# Altium PCB FX_PCB.PcbDoc (part 6 of 7)
Units mil, origin at the board's own origin, x right, y up, seen from the top; angles counter-clockwise.
Board outline 5533 x 3907 mil, 2 copper layers (Top Layer, Bottom Layer); 117 components, 100 nets, 439 pads, 176 vias.
Unrouted connection lines stored in the file: 106.
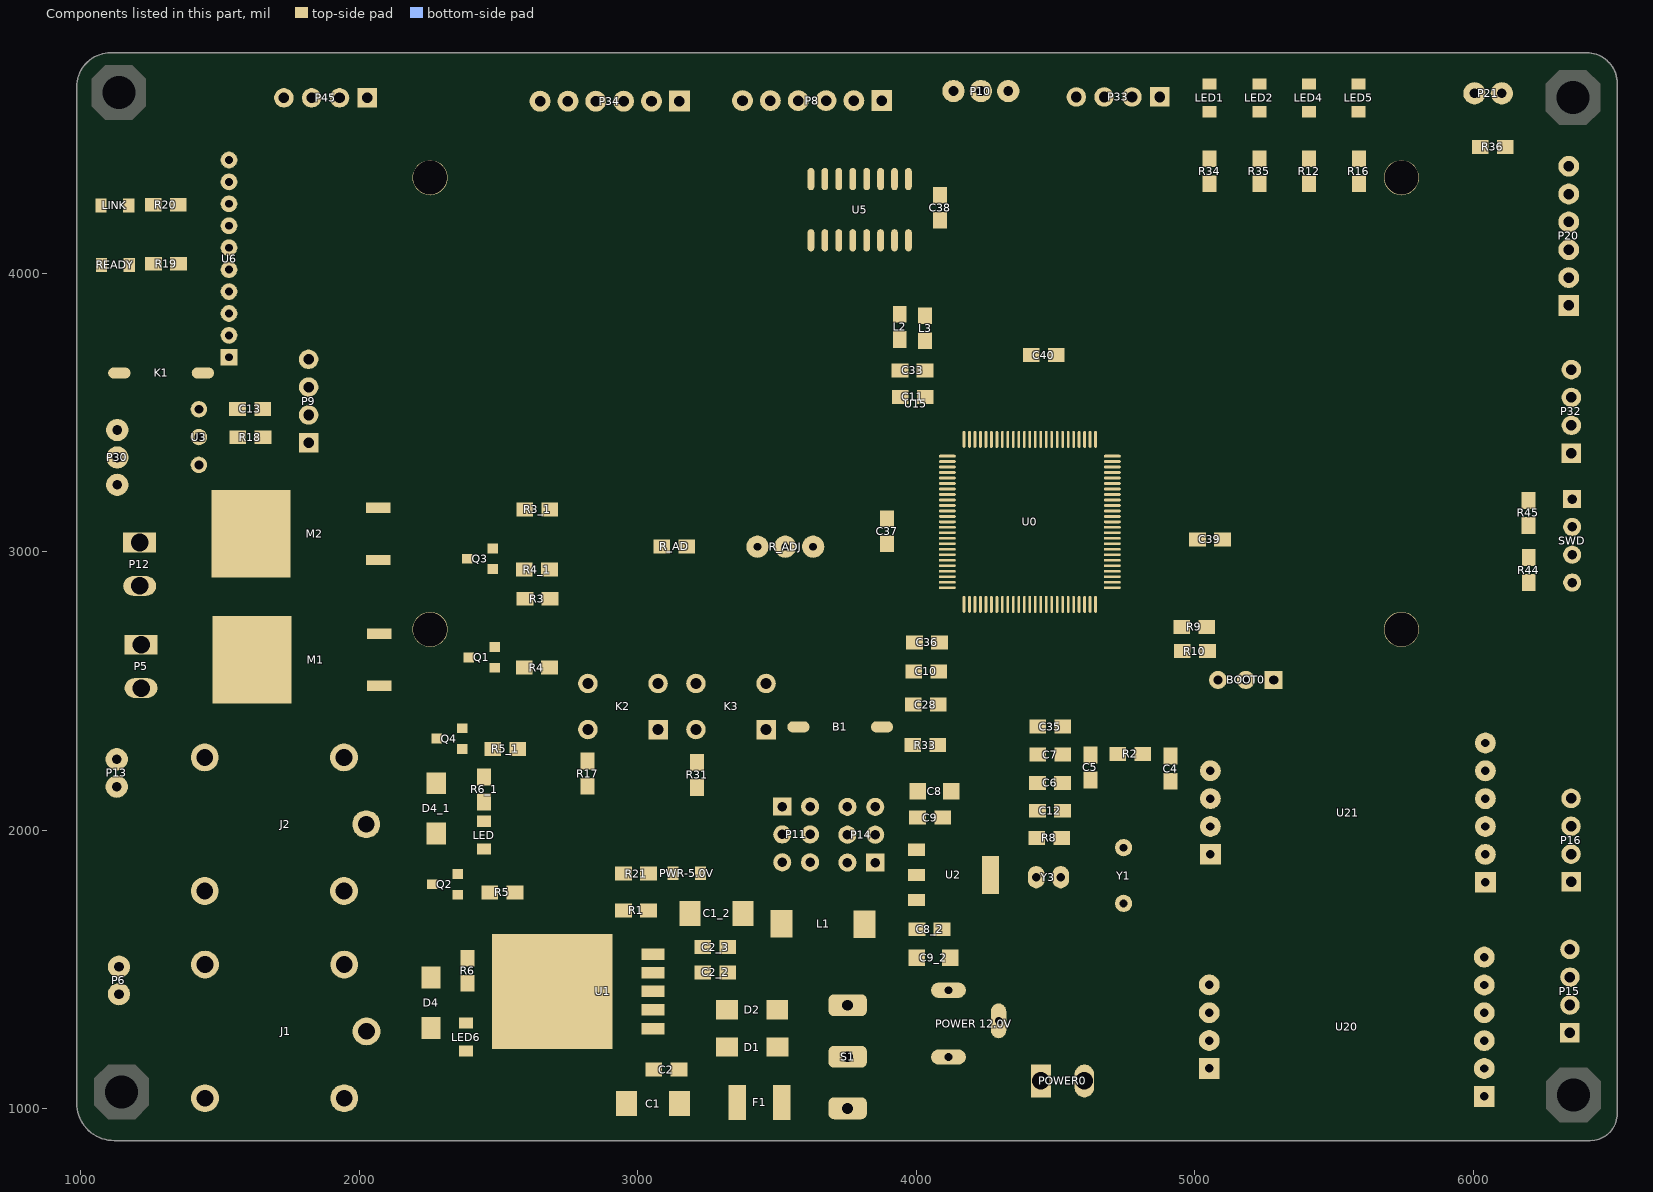
[diagram p6: the components of this part, seen from the top]

## Via types
v1: diameter 30, hole 15, Top Layer to Bottom Layer, 104 vias
v2: diameter 40, hole 18, Top Layer to Bottom Layer, 62 vias
v3: diameter 50, hole 28, Top Layer to Bottom Layer, 7 vias
v4: diameter 50, hole 23, Top Layer to Bottom Layer, 3 vias

## Nets (pads, with @x,y where several pads share a name; then routed paths per layer and width w, separated by ;. In a path a pad name is that pad's centre, name@x,y a point inside that pad or via, vN(x,y) a via of type N, cw(c..) or ccw(c..) an arc to the next point about the centre after c; other vN are vias at no path point) (continued)
copper on no net: (continued)
  Top Layer w2: 2131,3653 2141,3653 ; 2131,3655 2141,3655 ; 2131,3657 2141,3657 ; 2131,3659 2141,3659 ; 2131,3661 2141,3661 ; 2131,3663 2141,3663 ; 2131,3665 2141,3665 ; 2131,3667 2141,3667 ; 2131,3669 2141,3669 ; 2131,3671 2141,3671 ; 2133,3635 2141,3635 ; 2133,3637 2141,3637 ; 2133,3639 2141,3639 ; 2133,3641 2141,3641 ; 2133,3643 2141,3643 ; 2133,3645 2141,3645 ; 2133,3647 2141,3647 ; 2133,3649 2141,3649 ; 2133,3651 2141,3651 ; 2133,3673 2141,3673 ; 2133,3675 2141,3675 ; 2133,3677 2141,3677 ; 2133,3679 2141,3679 ; 2133,3681 2141,3681 ; 2133,3683 2141,3683 ; 2133,3685 2141,3685 ; 2133,3687 2141,3687 ; 2133,3689 2141,3689 ; 2133,3691 2141,3691 ; 2133,3693 2141,3693 ; 2135,3619 2143,3619 ; 2135,3621 2143,3621 ; 2135,3623 2143,3623 ; 2135,3625 2143,3625 ; 2135,3627 2143,3627 ; 2135,3629 2141,3629 ; 2135,3631 2141,3631 ; 2135,3633 2141,3633 ; 2135,3695 2143,3695 ; 2135,3697 2143,3697 ; 2135,3699 2143,3699 ; 2135,3701 2143,3701 ; 2135,3703 2143,3703 ; 2135,3705 2143,3705 ; 2137,3607 2145,3607 ; 2137,3609 2145,3609 ; 2137,3611 2145,3611 ; 2137,3613 2145,3613 ; 2137,3615 2145,3615 ; 2137,3617 2143,3617 ; 2137,3707 2145,3707 ; 2137,3709 2145,3709 ; 2137,3711 2145,3711 ; 2137,3713 2145,3713 ; 2137,3715 2145,3715 ; 2137,3717 2145,3717 ; 2139,3599 2147,3599 ; 2139,3601 2147,3601 ; 2139,3603 2147,3603 ; 2139,3605 2147,3605 ; 2139,3719 2147,3719 ; 2139,3721 2147,3721 ; 2139,3723 2147,3723 ; 2139,3725 2147,3725 ; 2141,3591 2149,3591 ; 2141,3593 2149,3593 ; 2141,3595 2149,3595 ; 2141,3597 2149,3597 ; 2141,3727 2149,3727 ; 2141,3729 2149,3729 ; 2141,3731 2149,3731 ; 2141,3733 2149,3733 ; 2143,3585 2151,3585 ; 2143,3587 2151,3587 ; 2143,3589 2151,3589 ; 2143,3735 2151,3735 ; 2143,3737 2151,3737 ; 2145,3579 2153,3579 ; 2145,3581 2153,3581 ; 2145,3583 2153,3583 ; 2145,3739 2153,3739 ; 2145,3741 2153,3741 ; 2145,3743 2153,3743 ; 2145,3745 2153,3745 ; 2147,3573 2157,3573 ; 2147,3575 2155,3575 ; 2147,3577 2155,3577 ; 2147,3747 2155,3747 ; 2147,3749 2155,3749 ; 2147,3751 2155,3751 ; 2149,3567 2157,3567 ; 2149,3569 2157,3569 ; 2149,3571 2157,3571 ; 2149,3753 2157,3753 ; 2149,3755 2157,3755 ; 2149,3757 2157,3757 ; 2151,3561 2161,3561 ; 2151,3563 2159,3563 ; 2151,3565 2159,3565 ; 2151,3759 2159,3759 ; 2151,3761 2159,3761 ; 2153,3557 2163,3557 ; 2153,3559 2161,3559 ; 2153,3643 2185,3643 ; 2153,3645 2181,3645 ; 2153,3647 2179,3647 ; 2153,3649 2179,3649 ; 2153,3651 2179,3651 ; 2153,3653 2179,3653 ; 2153,3655 2179,3655 ; 2153,3657 2181,3657 ; 2153,3659 2181,3659 ; 2153,3661 2243,3661 ; 2153,3663 2243,3663 ; 2153,3665 2243,3665 ; 2153,3667 2243,3667 ; 2153,3669 2243,3669 ; 2153,3671 2243,3671 ; 2153,3673 2243,3673 ; 2153,3675 2245,3675 ; 2153,3677 2245,3677 ; 2153,3679 2245,3679 ; 2153,3763 2161,3763 ; 2153,3765 2161,3765 ; 2153,3767 2163,3767 ; 2155,3553 2163,3553 ; 2155,3555 2163,3555 ; 2155,3627 2217,3627 ; 2155,3629 2217,3629 ; 2155,3631 2219,3631 ; 2155,3633 2245,3633 ; 2155,3635 2245,3635 ; 2155,3637 2245,3637 ; 2155,3639 2217,3639 ; 2155,3641 2217,3641 ; 2155,3681 2245,3681 ; 2155,3683 2245,3683 ; 2155,3685 2245,3685 ; 2155,3687 2245,3687 ; 2155,3689 2245,3689 ; 2155,3691 2245,3691 ; 2155,3693 2247,3693 ; 2155,3695 2247,3695 ; 2155,3697 2247,3697 ; 2155,3769 2163,3769 ; 2155,3771 2165,3771 ; 2157,3549 2167,3549 ; 2157,3551 2165,3551 ; 2157,3615 2183,3615 ; 2157,3617 2183,3617 ; 2157,3619 2183,3619 ; 2157,3621 2183,3621 ; 2157,3623 2183,3623 ; 2157,3625 2213,3625 ; 2157,3699 2247,3699 ; 2157,3701 2249,3701 ; 2157,3703 2249,3703 ; 2157,3705 2249,3705 ; 2157,3707 2249,3707 ; 2157,3709 2251,3709 ; 2157,3773 2165,3773 ; 2157,3775 2165,3775 ; 2159,3545 2167,3545 ; 2159,3547 2167,3547 ; 2159,3607 2185,3607 ; 2159,3609 2185,3609 ; 2159,3611 2185,3611 ; 2159,3613 2183,3613 ; 2159,3711 2251,3711 ; 2159,3713 2251,3713 ; 2159,3715 2253,3715 ; 2159,3717 2253,3717 ; 2159,3719 2255,3719 ; 2159,3721 2255,3721 ; 2159,3777 2167,3777 ; 2159,3779 2169,3779 ; 2161,3541 2169,3541 ; 2161,3543 2169,3543 ; 2161,3597 2211,3597 ; 2161,3599 2215,3599 ; 2161,3601 2219,3601 ; 2161,3603 2223,3603 ; 2161,3605 2223,3605 ; 2161,3723 2255,3723 ; 2161,3725 2257,3725 ; 2161,3781 2169,3781 ; 2161,3783 2169,3783 ; 2163,3537 2173,3537 ; 2163,3539 2171,3539 ; 2163,3591 2189,3591 ; 2163,3593 2189,3593 ; 2163,3595 2205,3595 ; 2163,3727 2257,3727 ; 2163,3729 2259,3729 ; 2163,3731 2259,3731 ; 2163,3733 2261,3733 ; 2163,3785 2171,3785 ; 2163,3787 2173,3787 ; 2165,3533 2175,3533 ; 2165,3535 2173,3535 ; 2165,3585 2193,3585 ; 2165,3587 2191,3587 ; 2165,3589 2191,3589 ; 2165,3735 2261,3735 ; 2165,3737 2263,3737 ; 2165,3739 2263,3739 ; 2165,3789 2173,3789 ; 2165,3791 2175,3791 ; 2167,3529 2177,3529 ; 2167,3531 2175,3531 ; 2167,3579 2203,3579 ; 2167,3581 2195,3581 ; 2167,3583 2193,3583 ; 2167,3741 2265,3741 ; 2167,3743 2267,3743 ; 2167,3745 2267,3745 ; 2167,3793 2175,3793 ; 2167,3795 2177,3795 ; 2169,3527 2177,3527 ; 2169,3575 2199,3575 ; 2169,3577 2201,3577 ; 2169,3747 2269,3747 ; 2169,3749 2271,3749 ; 2169,3797 2177,3797 ; 2171,3523 2181,3523 ; 2171,3525 2179,3525 ; 2171,3569 2221,3569 ; 2171,3571 2225,3571 ; 2171,3573 2197,3573 ; 2171,3751 2271,3751 ; 2171,3753 2273,3753 ; 2171,3755 2275,3755 ; 2171,3799 2179,3799 ; 2171,3801 2181,3801 ; 2173,3519 2183,3519 ; 2173,3521 2181,3521 ; 2173,3565 2201,3565 ; 2173,3567 2217,3567 ; 2173,3757 2275,3757 ; 2173,3759 2277,3759 ; 2173,3803 2181,3803 ; 2173,3805 2183,3805 ; 2175,3515 2185,3515 ; 2175,3517 2185,3517 ; 2175,3559 2205,3559 ; 2175,3561 2203,3561 ; 2175,3563 2201,3563 ; 2175,3761 2279,3761 ; 2175,3763 2281,3763 ; 2175,3765 2283,3765 ; 2175,3807 2185,3807 ; 2177,3513 2187,3513 ; 2177,3555 2205,3555 ; 2177,3557 2205,3557 ; 2177,3767 2285,3767 ; 2177,3769 2277,3769 ; 2177,3809 2185,3809 ; 2177,3811 2187,3811 ; 2179,3511 2189,3511 ; 2179,3551 2207,3551 ; 2179,3553 2207,3553 ; 2179,3771 2287,3771 ; 2179,3773 2259,3773 ; 2179,3813 2189,3813 ; 2181,3507 2191,3507 ; 2181,3509 2191,3509 ; 2181,3547 2205,3547 ; 2181,3549 2243,3549 ; 2181,3775 2259,3775 ; 2181,3777 2259,3777 ; 2181,3815 2191,3815 ; 2181,3817 2191,3817 ; 2183,3505 2193,3505 ; 2183,3545 2239,3545 ; 2183,3651 2203,3651 ; 2183,3779 2261,3779 ; 2183,3819 2187,3819 ; 2185,3501 2197,3501 ; 2185,3503 2195,3503 ; 2185,3541 2235,3541 ; 2185,3543 2237,3543 ; 2185,3781 2261,3781 ; 2185,3783 2263,3783 ; 2185,3821 2195,3821 ; 2187,3499 2197,3499 ; 2187,3537 2231,3537 ; 2187,3539 2233,3539 ; 2187,3621 2195,3621 ; 2187,3623 2203,3623 ; 2187,3653 2215,3653 ; 2187,3655 2215,3655 ; 2187,3657 2217,3657 ; 2187,3659 2243,3659 ; 2187,3785 2263,3785 ; 2187,3787 2265,3787 ; 2187,3823 2197,3823 ; 2189,3497 2199,3497 ; 2189,3535 2227,3535 ; 2189,3607 2223,3607 ; 2189,3609 2253,3609 ; 2189,3611 2251,3611 ; 2189,3789 2267,3789 ; 2189,3791 2267,3791 ; 2189,3819 2193,3819 ; 2189,3825 2197,3825 ; 2189,3827 2199,3827 ; 2191,3495 2201,3495 ; 2191,3531 2221,3531 ; 2191,3533 2219,3533 ; 2191,3793 2255,3793 ; 2191,3829 2201,3829 ; 2193,3493 2195,3493 ; 2193,3527 2225,3527 ; 2193,3529 2223,3529 ; 2193,3593 2201,3593 ; 2193,3795 2253,3795 ; 2193,3797 2255,3797 ; 2193,3831 2197,3831 ; 2193,3833 2205,3833 ; 2195,3489 2207,3489 ; 2195,3491 2197,3491 ; 2195,3523 2205,3523 ; 2195,3525 2225,3525 ; 2195,3613 2251,3613 ; 2195,3799 2249,3799 ; 2195,3835 2197,3835 ; 2197,3487 2209,3487 ; 2197,3493 2199,3493 ; 2197,3521 2213,3521 ; 2197,3581 2205,3581 ; 2197,3583 2207,3583 ; 2197,3585 2207,3585 ; 2197,3801 2253,3801 ; 2197,3803 2209,3803 ; 2197,3837 2201,3837 ; 2199,3485 2211,3485 ; 2199,3491 2205,3491 ; 2199,3519 2207,3519 ; 2199,3587 2209,3587 ; 2199,3805 2207,3805 ; 2199,3831 2203,3831 ; 2199,3835 2205,3835 ; 2199,3839 2211,3839 ; 2201,3483 2211,3483 ; 2201,3493 2203,3493 ; 2201,3515 2233,3515 ; 2201,3517 2233,3517 ; 2201,3643 2215,3643 ; 2201,3807 2233,3807 ; 2201,3809 2205,3809 ; 2201,3841 2205,3841 ; 2203,3481 2213,3481 ; 2203,3589 2211,3589 ; 2203,3811 2231,3811 ; 2203,3837 2209,3837 ; 2203,3843 2213,3843 ; 2205,3479 2217,3479 ; 2205,3511 2237,3511 ; 2205,3513 2237,3513 ; 2205,3565 2213,3565 ; 2205,3615 2221,3615 ; 2205,3813 2231,3813 ; 2205,3845 2215,3845 ; 2207,3477 2217,3477 ; 2207,3509 2269,3509 ; 2207,3523 2223,3523 ; 2207,3547 2241,3547 ; 2207,3591 2213,3591 ; 2207,3809 2233,3809 ; 2207,3815 2231,3815 ; 2207,3841 2211,3841 ; 2207,3847 2217,3847 ; 2209,3475 2221,3475 ; 2209,3507 2259,3507 ; 2209,3519 2231,3519 ; 2209,3805 2235,3805 ; 2209,3817 2231,3817 ; 2209,3849 2219,3849 ; 2211,3473 2223,3473 ; 2211,3503 2261,3503 ; 2211,3505 2267,3505 ; 2211,3551 2247,3551 ; 2211,3553 2247,3553 ; 2211,3555 2247,3555 ; 2211,3577 2269,3577 ; 2211,3617 2219,3617 ; 2211,3803 2249,3803 ; 2211,3819 2231,3819 ; 2211,3821 2213,3821 ; 2211,3851 2221,3851 ; 2213,3471 2223,3471 ; 2213,3501 2229,3501 ; 2213,3557 2245,3557 ; 2213,3579 2267,3579 ; 2213,3593 2217,3593 ; 2213,3823 2231,3823 ; 2213,3853 2225,3853 ; 2215,3499 2253,3499 ; 2215,3521 2219,3521 ; 2215,3581 2265,3581 ; 2215,3595 2217,3595 ; 2215,3821 2219,3821 ; 2215,3825 2229,3825 ; 2215,3855 2227,3855 ; 2217,3467 2229,3467 ; 2217,3469 2221,3469 ; 2217,3497 2253,3497 ; 2217,3583 2265,3583 ; 2217,3827 2229,3827 ; 2217,3857 2229,3857 ; 2219,3465 2231,3465 ; 2219,3495 2251,3495 ; 2219,3559 2245,3559 ; 2219,3585 2263,3585 ; 2219,3587 2223,3587 ; 2219,3639 2245,3639 ; 2219,3643 2245,3643 ; 2219,3647 2243,3647 ; 2219,3649 2223,3649 ; 2219,3651 2243,3651 ; 2219,3653 2243,3653 ; 2219,3655 2243,3655 ; 2219,3657 2243,3657 ; 2219,3829 2229,3829 ; 2219,3859 2231,3859 ; 2221,3463 2233,3463 ; 2221,3493 2259,3493 ; 2221,3521 2229,3521 ; 2221,3561 2281,3561 ; 2221,3625 2249,3625 ; 2221,3627 2247,3627 ; 2221,3629 2247,3629 ; 2221,3631 2247,3631 ; 2221,3641 2245,3641 ; 2221,3645 2245,3645 ; 2221,3821 2231,3821 ; 2221,3831 2223,3831 ; 2221,3861 2227,3861 ; 2223,3469 2227,3469 ; 2223,3491 2261,3491 ; 2223,3533 2225,3533 ; 2223,3589 2261,3589 ; 2223,3591 2261,3591 ; 2223,3617 2249,3617 ; 2223,3619 2249,3619 ; 2223,3621 2249,3621 ; 2223,3623 2249,3623 ; 2223,3833 2245,3833 ; 2223,3863 2229,3863 ; 2225,3461 2237,3461 ; 2225,3489 2251,3489 ; 2225,3523 2227,3523 ; 2225,3587 2263,3587 ; 2225,3593 2259,3593 ; 2225,3615 2251,3615 ; 2225,3649 2243,3649 ; 2225,3831 2231,3831 ; 2225,3835 2245,3835 ; 2225,3865 2239,3865 ; 2227,3459 2239,3459 ; 2227,3487 2267,3487 ; 2227,3563 2279,3563 ; 2227,3595 2259,3595 ; 2227,3603 2255,3603 ; 2227,3605 2255,3605 ; 2227,3607 2253,3607 ; 2227,3837 2239,3837 ; 2229,3457 2241,3457 ; 2229,3485 2311,3485 ; 2229,3597 2257,3597 ; 2229,3599 2257,3599 ; 2229,3601 2255,3601 ; 2229,3839 2345,3839 ; 2229,3861 2233,3861 ; 2229,3867 2241,3867 ; 2231,3455 2243,3455 ; 2231,3483 2311,3483 ; 2231,3501 2263,3501 ; 2231,3525 2247,3525 ; 2231,3527 2247,3527 ; 2231,3529 2247,3529 ; 2231,3841 2341,3841 ; 2231,3863 2235,3863 ; 2231,3869 2243,3869 ; 2233,3453 2245,3453 ; 2233,3481 2311,3481 ; 2233,3523 2247,3523 ; 2233,3565 2239,3565 ; 2233,3843 2337,3843 ; 2233,3871 2247,3871 ; 2235,3451 2249,3451 ; 2235,3479 2309,3479 ; 2235,3521 2245,3521 ; 2235,3531 2245,3531 ; 2235,3567 2237,3567 ; 2235,3845 2339,3845 ; 2235,3873 2249,3873 ; 2237,3477 2309,3477 ; 2237,3519 2277,3519 ; 2237,3533 2243,3533 ; 2237,3847 2341,3847 ; 2239,3449 2253,3449 ; 2239,3475 2309,3475 ; 2239,3517 2275,3517 ; 2239,3535 2241,3535 ; 2239,3575 2271,3575 ; 2239,3805 2249,3805 ; 2239,3817 2241,3817 ; 2239,3819 2241,3819 ; 2239,3821 2241,3821 ; 2239,3823 2241,3823 ; 2239,3829 2243,3829 ; 2239,3831 2243,3831 ; 2239,3849 2337,3849 ; 2239,3875 2251,3875 ; 2241,3569 2275,3569 ; 2241,3571 2273,3571 ; 2241,3573 2271,3573 ; 2241,3807 2247,3807 ; 2241,3825 2243,3825 ; 2241,3827 2243,3827 ; 2241,3837 2247,3837 ; 2241,3877 2255,3877 ; 2243,3445 2259,3445 ; 2243,3447 2255,3447 ; 2243,3473 2307,3473 ; 2243,3565 2277,3565 ; 2243,3567 2275,3567 ; 2243,3809 2247,3809 ; 2243,3811 2245,3811 ; 2243,3813 2245,3813 ; 2243,3851 2335,3851 ; 2243,3879 2257,3879 ; 2245,3471 2307,3471 ; 2245,3511 2271,3511 ; 2245,3537 2261,3537 ; 2245,3539 2259,3539 ; 2245,3853 2249,3853 ; 2247,3443 2251,3443 ; 2247,3469 2307,3469 ; 2247,3521 2255,3521 ; 2247,3535 2261,3535 ; 2247,3541 2257,3541 ; 2247,3559 2283,3559 ; 2247,3855 2337,3855 ; 2247,3881 2261,3881 ; 2249,3441 2255,3441 ; 2249,3467 2307,3467 ; 2249,3513 2273,3513 ; 2249,3515 2273,3515 ; 2249,3533 2261,3533 ; 2249,3543 2257,3543 ; 2249,3557 2285,3557 ; 2249,3817 2253,3817 ; 2249,3819 2251,3819 ; 2249,3821 2251,3821 ; 2249,3827 2251,3827 ; 2249,3829 2331,3829 ; 2249,3857 2331,3857 ; 2249,3883 2265,3883 ; 2251,3523 2277,3523 ; 2251,3531 2255,3531 ; 2251,3545 2255,3545 ; 2251,3555 2287,3555 ; 2251,3799 2255,3799 ; 2251,3815 2253,3815 ; 2251,3831 2331,3831 ; 2251,3837 2341,3837 ; 2251,3853 2255,3853 ; 2251,3859 2331,3859 ; 2253,3439 2267,3439 ; 2253,3443 2261,3443 ; 2253,3465 2307,3465 ; 2253,3489 2263,3489 ; 2253,3495 2257,3495 ; 2253,3525 2277,3525 ; 2253,3553 2283,3553 ; 2253,3809 2259,3809 ; 2253,3833 2335,3833 ; 2253,3835 2339,3835 ; 2253,3885 2267,3885 ; 2255,3437 2271,3437 ; 2255,3463 2309,3463 ; 2255,3527 2277,3527 ; 2255,3551 2289,3551 ; 2255,3643 2259,3643 ; 2255,3645 2261,3645 ; 2255,3647 2543,3647 ; 2255,3649 2543,3649 ; 2255,3651 2259,3651 ; 2255,3653 2259,3653 ; 2255,3655 2259,3655 ; 2255,3657 2259,3657 ; 2255,3659 2259,3659 ; 2255,3661 2259,3661 ; 2255,3663 2259,3663 ; 2255,3665 2259,3665 ; 2255,3667 2259,3667 ; 2255,3669 2259,3669 ; 2255,3671 2259,3671 ; 2255,3673 2259,3673 ; 2255,3675 2259,3675 ; 2255,3677 2259,3677 ; 2255,3679 2259,3679 ; 2255,3681 2261,3681 ; 2255,3795 2257,3795 ; 2255,3807 2259,3807 ; 2255,3827 2257,3827 ; 2255,3861 2331,3861 ; 2255,3887 2271,3887 ; 2257,3441 2265,3441 ; 2257,3461 2309,3461 ; 2257,3499 2261,3499 ; 2257,3521 2279,3521 ; 2257,3529 2259,3529 ; 2257,3531 2259,3531 ; 2257,3549 2279,3549 ; 2257,3633 2261,3633 ; 2257,3635 2261,3635 ; 2257,3637 2261,3637 ; 2257,3639 2261,3639 ; 2257,3641 2261,3641 ; 2257,3683 2261,3683 ; 2257,3685 2261,3685 ; 2257,3687 2261,3687 ; 2257,3689 2261,3689 ; 2257,3691 2261,3691 ; 2257,3793 2259,3793 ; 2257,3805 2261,3805 ; 2257,3811 2259,3811 ; 2257,3853 2335,3853 ; 2257,3863 2335,3863 ; 2259,3435 2275,3435 ; 2259,3545 2297,3545 ; 2259,3547 2293,3547 ; 2259,3625 2263,3625 ; 2259,3627 2263,3627 ; 2259,3629 2263,3629 ; 2259,3631 2261,3631 ; 2259,3693 2263,3693 ; 2259,3695 2263,3695 ; 2259,3697 2263,3697 ; 2259,3699 2263,3699 ; 2259,3701 2263,3701 ; 2259,3803 2263,3803 ; 2259,3889 2275,3889 ; 2261,3433 2277,3433 ; 2261,3459 2313,3459 ; 2261,3507 2263,3507 ; 2261,3543 2299,3543 ; 2261,3617 2267,3617 ; 2261,3619 2265,3619 ; 2261,3621 2265,3621 ; 2261,3623 2265,3623 ; 2261,3703 2265,3703 ; 2261,3705 2265,3705 ; 2261,3801 2267,3801 ; 2261,3821 2341,3821 ; 2261,3827 2347,3827 ; 2261,3865 2337,3865 ; 2263,3457 2315,3457 ; 2263,3503 2265,3503 ; 2263,3529 2319,3529 ; 2263,3541 2301,3541 ; 2263,3611 2267,3611 ; 2263,3613 2267,3613 ; 2263,3615 2267,3615 ; 2263,3707 2267,3707 ; 2263,3709 2267,3709 ; 2263,3711 2267,3711 ; 2263,3713 2269,3713 ; 2263,3773 2283,3773 ; 2263,3799 2265,3799 ; 2263,3823 2343,3823 ; 2263,3825 2345,3825 ; 2263,3867 2341,3867 ; 2263,3891 2277,3891 ; 2265,3431 2283,3431 ; 2265,3493 2315,3493 ; 2265,3507 2267,3507 ; 2265,3531 2315,3531 ; 2265,3539 2305,3539 ; 2265,3607 2271,3607 ; 2265,3609 2269,3609 ; 2265,3715 2269,3715 ; 2265,3717 2271,3717 ; 2265,3775 2273,3775 ; 2265,3777 2271,3777 ; 2265,3793 2269,3793 ; 2265,3795 2271,3795 ; 2265,3803 2267,3803 ; 2265,3893 2283,3893 ; 2267,3455 2323,3455 ; 2267,3489 2313,3489 ; 2267,3491 2315,3491 ; 2267,3495 2271,3495 ; 2267,3533 2269,3533 ; 2267,3537 2307,3537 ; 2267,3603 2273,3603 ; 2267,3605 2271,3605 ; 2267,3719 2271,3719 ; 2267,3721 2271,3721 ; 2267,3779 2271,3779 ; 2267,3781 2271,3781 ; 2267,3817 2339,3817 ; 2267,3819 2339,3819 ; 2267,3869 2331,3869 ; 2269,3429 2287,3429 ; 2269,3453 2359,3453 ; 2269,3487 2313,3487 ; 2269,3497 2315,3497 ; 2269,3535 2309,3535 ; 2269,3597 2275,3597 ; 2269,3599 2273,3599 ; 2269,3601 2273,3601 ; 2269,3723 2273,3723 ; 2269,3725 2273,3725 ; 2269,3783 2271,3783 ; 2269,3797 2271,3797 ; 2269,3815 2287,3815 ; 2269,3871 2331,3871 ; 2269,3895 2287,3895 ; 2271,3499 2313,3499 ; 2271,3533 2305,3533 ; 2271,3593 2277,3593 ; 2271,3595 2275,3595 ; 2271,3727 2275,3727 ; 2271,3729 2275,3729 ; 2271,3785 2281,3785 ; 2271,3787 2281,3787 ; 2271,3811 2273,3811 ; 2271,3813 2285,3813 ; 2273,3427 2289,3427 ; 2273,3451 2359,3451 ; 2273,3495 2315,3495 ; 2273,3501 2281,3501 ; 2273,3591 2279,3591 ; 2273,3731 2277,3731 ; 2273,3733 2277,3733 ; 2273,3789 2279,3789 ; 2273,3803 2277,3803 ; 2273,3873 2331,3873 ; 2273,3897 2291,3897 ; 2275,3449 2353,3449 ; 2275,3503 2485,3503 ; 2275,3505 2285,3505 ; 2275,3587 2281,3587 ; 2275,3589 2279,3589 ; 2275,3639 2523,3639 ; 2275,3735 2279,3735 ; 2275,3737 2281,3737 ; 2275,3783 2283,3783 ; 2275,3791 2277,3791 ; 2275,3805 2277,3805 ; 2275,3809 2281,3809 ; 2275,3811 2283,3811 ; 2275,3875 2331,3875 ; 2277,3425 2295,3425 ; 2277,3507 2387,3507 ; 2277,3585 2281,3585 ; 2277,3739 2281,3739 ; 2277,3741 2283,3741 ; 2277,3775 2293,3775 ; 2277,3781 2299,3781 ; 2277,3807 2279,3807 ; 2277,3899 2295,3899 ; 2279,3423 2299,3423 ; 2279,3447 2353,3447 ; 2279,3509 2371,3509 ; 2279,3527 2321,3527 ; 2279,3581 2285,3581 ; 2279,3583 2283,3583 ; 2279,3743 2285,3743 ; 2279,3769 2287,3769 ; 2279,3777 2293,3777 ; 2279,3779 2297,3779 ; 2279,3877 2331,3877 ; 2281,3511 2361,3511 ; 2281,3525 2325,3525 ; 2281,3549 2293,3549 ; 2281,3577 2287,3577 ; 2281,3579 2285,3579 ; 2281,3745 2287,3745 ; 2281,3795 2283,3795 ; 2281,3797 2283,3797 ; 2281,3799 2287,3799 ; 2281,3801 2329,3801 ; 2281,3901 2289,3901 ; 2283,3421 2303,3421 ; 2283,3445 2363,3445 ; 2283,3501 2483,3501 ; 2283,3513 2353,3513 ; 2283,3523 2329,3523 ; 2283,3575 2287,3575 ; 2283,3747 2287,3747 ; 2283,3749 2289,3749 ; 2283,3803 2333,3803 ; 2283,3879 2331,3879 ; 2285,3515 2287,3515 ; 2285,3553 2289,3553 ; 2285,3573 2291,3573 ; 2285,3751 2291,3751 ; 2285,3773 2289,3773 ; 2285,3791 2287,3791 ; 2285,3805 2339,3805 ; 2285,3903 2305,3903 ; 2287,3443 2385,3443 ; 2287,3505 2489,3505 ; 2287,3519 2323,3519 ; 2287,3521 2333,3521 ; 2287,3571 2291,3571 ; 2287,3753 2293,3753 ; 2287,3783 2301,3783 ; 2287,3789 2309,3789 ; 2287,3807 2341,3807 ; 2287,3809 2347,3809 ; 2287,3881 2337,3881 ; 2289,3419 2309,3419 ; 2289,3569 2293,3569 ; 2289,3631 2509,3631 ; 2289,3721 2293,3721 ; 2289,3755 2295,3755 ; 2289,3785 2303,3785 ; 2289,3787 2307,3787 ; 2289,3791 2313,3791 ; 2289,3905 2309,3905 ; 2291,3441 2507,3441 ; 2291,3515 2347,3515 ; 2291,3517 2341,3517 ; 2291,3565 2297,3565 ; 2291,3567 2295,3567 ; 2291,3645 2293,3645 ; 2291,3717 2341,3717 ; 2291,3719 2301,3719 ; 2291,3757 2297,3757 ; 2291,3793 2309,3793 ; 2291,3811 2353,3811 ; 2291,3813 2359,3813 ; 2291,3815 2369,3815 ; 2291,3883 2337,3883 ; 2293,3417 2315,3417 ; 2293,3715 2297,3715 ; 2293,3759 2297,3759 ; 2293,3761 2299,3761 ; 2293,3795 2319,3795 ; 2293,3901 2299,3901 ; 2293,3907 2315,3907 ; 2295,3439 2503,3439 ; 2295,3561 2301,3561 ; 2295,3563 2299,3563 ; 2295,3713 2297,3713 ; 2295,3763 2303,3763 ; 2295,3797 2321,3797 ; 2295,3799 2325,3799 ; 2295,3885 2339,3885 ; 2297,3559 2305,3559 ; 2297,3765 2303,3765 ; 2299,3415 2321,3415 ; 2299,3437 2369,3437 ; 2299,3557 2307,3557 ; 2299,3651 2315,3651 ; 2299,3659 2315,3659 ; 2299,3661 2315,3661 ; 2299,3767 2305,3767 ; 2299,3887 2341,3887 ; 2299,3909 2321,3909 ; 2301,3555 2307,3555 ; 2301,3653 2315,3653 ; 2301,3655 2315,3655 ; 2301,3657 2315,3657 ; 2301,3667 2313,3667 ; 2301,3669 2313,3669 ; 2301,3671 2313,3671 ; 2301,3673 2313,3673 ; 2301,3675 2313,3675 ; 2301,3677 2313,3677 ; 2301,3679 2313,3679 ; 2301,3681 2313,3681 ; 2301,3683 2313,3683 ; 2301,3685 2313,3685 ; 2301,3687 2313,3687 ; 2301,3689 2313,3689 ; 2301,3691 2313,3691 ; 2301,3693 2313,3693 ; 2301,3695 2313,3695 ; 2301,3697 2313,3697 ; 2301,3699 2313,3699 ; 2301,3701 2313,3701 ; 2301,3703 2313,3703 ; 2301,3705 2313,3705 ; 2301,3707 2313,3707 ; 2301,3709 2303,3709 ; 2301,3711 2313,3711 ; 2301,3739 2305,3739 ; 2301,3769 2309,3769 ; 2303,3413 2327,3413 ; 2303,3553 2311,3553 ; 2303,3735 2305,3735 ; 2303,3737 2305,3737 ; 2303,3911 2327,3911 ; 2305,3435 2493,3435 ; 2305,3709 2313,3709 ; 2305,3719 2341,3719 ; 2305,3721 2341,3721 ; 2305,3723 2341,3723 ; 2305,3771 2311,3771 ; 2305,3889 2341,3889 ; 2307,3533 2313,3533 ; 2307,3551 